# Altium PCB BreakOutBoard_Cyclone.PcbDoc (part 4 of 7)
Units mm, origin at the board's own origin, x right, y up, seen from the top; angles counter-clockwise.
Board outline 360 x 235.6 mm, 2 copper layers (Top Layer, Bottom Layer); 147 components, 203 nets, 2829 pads, 104 vias.
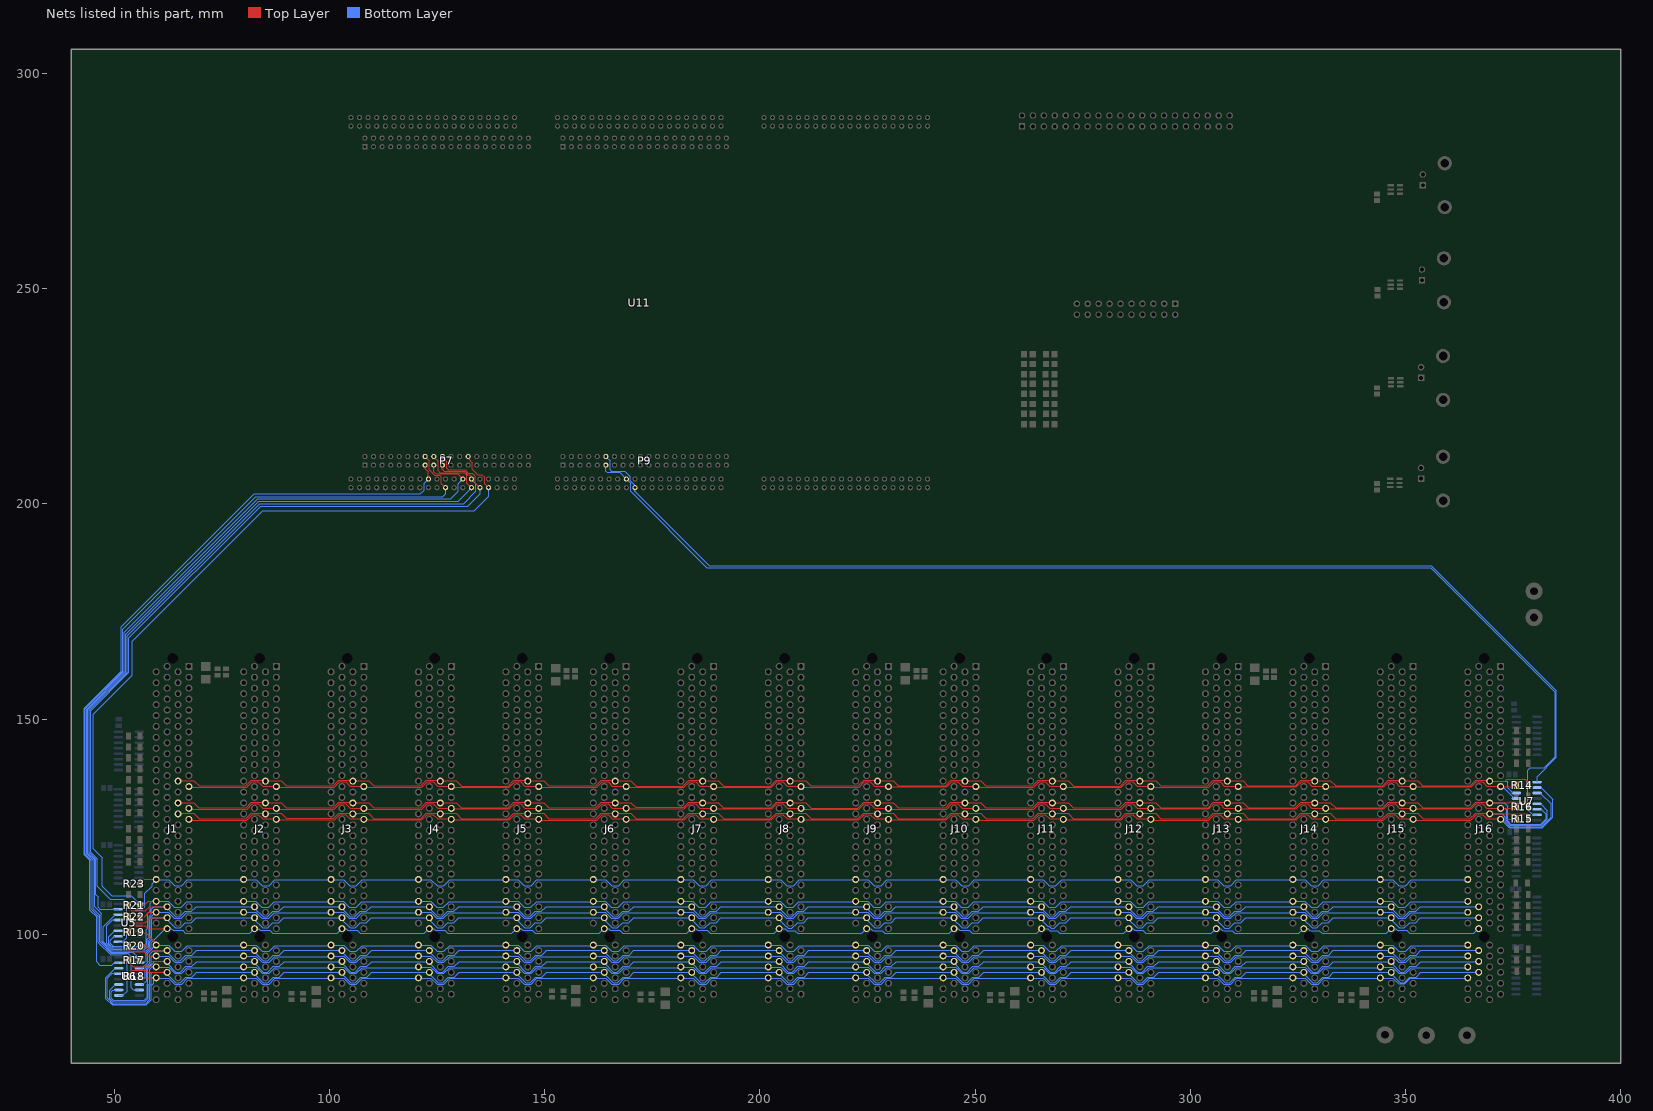
[diagram p4: the nets of this part, all layers, seen from the top]

## Via types
v1: diameter 0.6, hole 0.3, Top Layer to Bottom Layer, 53 vias
v2: diameter 1.27, hole 0.711, Top Layer to Bottom Layer, 36 vias
v3: diameter 5.5, hole 4.5, Top Layer to Bottom Layer, 15 vias

## Nets (pads, with @x,y where several pads share a name; then routed paths per layer and width w, separated by ;. In a path a pad name is that pad's centre, name@x,y a point inside that pad or via, vN(x,y) a via of type N, cw(c..) or ccw(c..) an arc to the next point about the centre after c; other vN are vias at no path point) (continued)
BUS13_N: J1.22 J2.22 J3.22 J4.22 J5.22 J6.22 J7.22 J8.22 J9.22 J10.22 J11.22 J12.22 J13.22 J14.22 J15.22 J16.22 R14.1 U7.14 | length 336.3
  Top Layer w0.15: J1.22@64.77,135.672 68.428,135.672 69.66,134.44 80.54,134.44 81.83,135.73 J2.22@85.032,135.73 ; J2.22@85.09,135.672 88.748,135.672 89.97,134.45 100.87,134.45 102.15,135.73 J3.22@105.352,135.73 ; J3.22@105.41,135.672 109.068,135.672 110.27,134.47 121.21,134.47 122.47,135.73 J4.22@125.672,135.73 ; J4.22@125.73,135.672 129.388,135.672 130.65,134.41 141.47,134.41 142.79,135.73 J5.22@145.992,135.73 ; J5.22@146.05,135.672 149.708,135.672 150.92,134.46 161.84,134.46 163.11,135.73 J6.22@166.312,135.73 ; J6.22@166.37,135.672 170.028,135.672 171.28,134.42 182.12,134.42 183.43,135.73 J7.22@186.632,135.73 ; J7.22@186.69,135.672 190.348,135.672 191.63,134.39 202.41,134.39 203.75,135.73 J8.22@206.952,135.73 ; J8.22@207.01,135.672 210.668,135.672 211.86,134.48 222.82,134.48 224.07,135.73 J9.22@227.272,135.73 ; J9.22@227.33,135.672 230.988,135.672 232.16,134.5 243.16,134.5 244.39,135.73 J10.22@247.592,135.73 ; J10.22@247.65,135.672 251.308,135.672 252.53,134.45 263.43,134.45 264.71,135.73 J11.22@267.912,135.73 ; J11.22@267.97,135.672 271.628,135.672 272.88,134.42 283.72,134.42 285.03,135.73 J12.22@288.232,135.73 ; J12.22@288.29,135.672 291.948,135.672 293.14,134.48 304.1,134.48 305.35,135.73 J13.22@308.552,135.73 ; J13.22@308.61,135.672 312.268,135.672 313.403,134.537 324.477,134.537 325.67,135.73 J14.22@328.872,135.73 ; J14.22@328.93,135.672 332.588,135.672 333.754,134.506 344.766,134.506 345.99,135.73 J15.22@349.192,135.73 ; J15.22@349.25,135.672 352.908,135.672 354.074,134.506 365.086,134.506 366.31,135.73 J16.22@369.512,135.73 ; J16.22@369.57,135.572 373.172,135.572 373.6,136 377.9,136 R14.1@378.6,135.3
  Bottom Layer w0.15: J16.22@369.57,135.572 373.827,135.572 373.827,134.073 U7.14@375,132.9
BUS13_P: J1.23 J2.23 J3.23 J4.23 J5.23 J6.23 J7.23 J8.23 J9.23 J10.23 J11.23 J12.23 J13.23 J14.23 J15.23 J16.23 R14.2 U7.13 | length 324.2
  Top Layer w0.15: J1.23@67.506,134.206 67.572,134.14 80.769,134.14 82.032,135.403 83.436,135.403 84.437,134.402 J2.23@87.63,134.402 ; J2.23@87.826,134.206 87.882,134.15 101.099,134.15 102.352,135.403 103.756,135.403 104.757,134.402 J3.23@107.95,134.402 ; J3.23@108.146,134.206 108.182,134.17 121.439,134.17 122.672,135.403 124.076,135.403 125.077,134.402 J4.23@128.27,134.402 ; J4.23@128.466,134.206 128.562,134.11 141.699,134.11 142.992,135.403 144.396,135.403 145.397,134.402 J5.23@148.59,134.402 ; J5.23@148.786,134.206 148.832,134.16 162.069,134.16 163.312,135.403 164.716,135.403 165.717,134.402 J6.23@168.91,134.402 ; J6.23@169.106,134.206 169.192,134.12 182.349,134.12 183.632,135.403 185.036,135.403 186.037,134.402 J7.23@189.23,134.402 ; J7.23@189.426,134.206 189.542,134.09 202.639,134.09 203.952,135.403 205.356,135.403 206.357,134.402 J8.23@209.55,134.402 ; J8.23@209.746,134.206 209.772,134.18 223.049,134.18 224.272,135.403 225.676,135.403 226.677,134.402 J9.23@229.87,134.402 ; J9.23@230.066,134.206 230.072,134.2 243.389,134.2 244.592,135.403 245.996,135.403 246.997,134.402 J10.23@250.19,134.402 ; J10.23@250.386,134.206 250.442,134.15 263.659,134.15 264.912,135.403 266.316,135.403 267.317,134.402 J11.23@270.51,134.402 ; J11.23@270.706,134.206 270.792,134.12 283.949,134.12 285.232,135.403 286.636,135.403 287.637,134.402 J12.23@290.83,134.402 ; J12.23@291.026,134.206 291.052,134.18 304.329,134.18 305.552,135.403 306.956,135.403 307.957,134.402 J13.23@311.15,134.402 ; J13.23@311.346,134.206 324.675,134.206 325.872,135.403 327.276,135.403 328.277,134.402 J14.23@331.47,134.402 ; J14.23@331.666,134.206 344.995,134.206 346.192,135.403 347.596,135.403 348.597,134.402 J15.23@351.79,134.402 ; J15.23@351.986,134.206 365.315,134.206 366.512,135.403 367.916,135.403 368.917,134.402 J16.23@372.11,134.402 ; J16.23@372.11,134.302 375.303,134.302 R14.2@375.7,134.7
  Bottom Layer w0.15: J16.23@372.11,134.302 372.647,134.302 375.1,131.85 U7.13@375.1,131.5
BUS14: P9.12 U7.1 U11.1B19 | length 269.1
  Bottom Layer w0.15: P9.12@164.2,211 165.2,210 165.2,207.9 165.5,207.6 168.6,207.6 169.9,206.3 169.9,205.4 170.95,204.35 U11.1B19@170.95,203.75 ; U11.1B19@170.93,203.73 170.93,202.87 188.2,185.6 356.05,185.6 385.09,156.56 385.09,141.06 380.6,136.57 U7.1@380.6,135.345
BUS14_N: J1.29 J2.29 J3.29 J4.29 J5.29 J6.29 J7.29 J8.29 J9.29 J10.29 J11.29 J12.29 J13.29 J14.29 J15.29 J16.29 R15.1 U7.2 | length 342.2
  Top Layer w0.15: J1.29@67.506,126.606 67.602,126.51 80.739,126.51 82.032,127.803 83.436,127.803 84.437,126.802 J2.29@87.63,126.802 ; J2.29@87.826,126.606 101.155,126.606 102.352,127.803 103.756,127.803 104.757,126.802 J3.29@107.95,126.802 ; J3.29@108.146,126.606 108.212,126.54 121.409,126.54 122.672,127.803 124.076,127.803 125.077,126.802 J4.29@128.27,126.802 ; J4.29@128.466,126.606 128.532,126.54 141.729,126.54 142.992,127.803 144.396,127.803 145.397,126.802 J5.29@148.59,126.802 ; J5.29@148.786,126.606 148.872,126.52 162.029,126.52 163.312,127.803 164.716,127.803 165.717,126.802 J6.29@168.91,126.802 ; J6.29@169.106,126.606 169.152,126.56 182.389,126.56 183.632,127.803 185.036,127.803 186.037,126.802 J7.29@189.23,126.802 ; J7.29@189.426,126.606 189.502,126.53 202.679,126.53 203.952,127.803 205.356,127.803 206.357,126.802 J8.29@209.55,126.802 ; J8.29@209.746,126.606 209.822,126.53 222.999,126.53 224.272,127.803 225.676,127.803 226.677,126.802 J9.29@229.87,126.802 ; J9.29@230.066,126.606 230.112,126.56 243.349,126.56 244.592,127.803 245.996,127.803 246.997,126.802 J10.29@250.19,126.802 ; J10.29@250.386,126.606 250.492,126.5 263.609,126.5 264.912,127.803 266.316,127.803 267.317,126.802 J11.29@270.51,126.802 ; J11.29@270.706,126.606 270.762,126.55 283.979,126.55 285.232,127.803 286.636,127.803 287.637,126.802 J12.29@290.83,126.802 ; J12.29@291.026,126.606 291.112,126.52 304.269,126.52 305.552,127.803 306.956,127.803 307.957,126.802 J13.29@311.15,126.802 ; J13.29@311.346,126.606 311.422,126.53 324.599,126.53 325.872,127.803 327.276,127.803 328.277,126.802 J14.29@331.47,126.802 ; J14.29@331.666,126.606 331.772,126.5 344.889,126.5 346.192,127.803 347.596,127.803 348.597,126.802 J15.29@351.79,126.802 ; J15.29@351.986,126.606 352.092,126.5 365.209,126.5 366.512,127.803 367.916,127.803 368.917,126.802 J16.29@372.11,126.802 ; J16.29@372.11,126.682 375.383,126.682 R15.1@375.7,127
  Bottom Layer w0.15: J16.29@372.11,126.682 374.1,124.692 381.77,124.692 384.2,127.122 384.2,131.4 U7.2@381.5,134.1
BUS14_P: J1.28 J2.28 J3.28 J4.28 J5.28 J6.28 J7.28 J8.28 J9.28 J10.28 J11.28 J12.28 J13.28 J14.28 J15.28 J16.28 R15.2 U7.3 | length 352.6
  Top Layer w0.15: J1.28@64.77,128.072 68.428,128.072 69.69,126.81 80.51,126.81 81.83,128.13 J2.28@85.032,128.13 ; J2.28@85.09,128.072 88.748,128.072 89.91,126.91 100.93,126.91 102.15,128.13 J3.28@105.352,128.13 ; J3.28@105.41,128.072 109.068,128.072 110.3,126.84 121.18,126.84 122.47,128.13 J4.28@125.672,128.13 ; J4.28@125.73,128.072 129.388,128.072 130.62,126.84 141.5,126.84 142.79,128.13 J5.28@145.992,128.13 ; J5.28@146.05,128.072 149.708,128.072 150.96,126.82 161.8,126.82 163.11,128.13 J6.28@166.312,128.13 ; J6.28@166.37,128.072 170.028,128.072 171.24,126.86 182.16,126.86 183.43,128.13 J7.28@186.632,128.13 ; J7.28@186.69,128.072 190.348,128.072 191.59,126.83 202.45,126.83 203.75,128.13 J8.28@206.952,128.13 ; J8.28@207.01,128.072 210.668,128.072 211.91,126.83 222.77,126.83 224.07,128.13 J9.28@227.272,128.13 ; J9.28@227.33,128.072 230.988,128.072 232.2,126.86 243.12,126.86 244.39,128.13 J10.28@247.592,128.13 ; J10.28@247.65,128.072 251.308,128.072 252.58,126.8 263.38,126.8 264.71,128.13 J11.28@267.912,128.13 ; J11.28@267.97,128.072 271.628,128.072 272.85,126.85 283.75,126.85 285.03,128.13 J12.28@288.232,128.13 ; J12.28@288.29,128.072 291.948,128.072 293.2,126.82 304.04,126.82 305.35,128.13 J13.28@308.552,128.13 ; J13.28@308.61,128.072 312.268,128.072 313.51,126.83 324.37,126.83 325.67,128.13 J14.28@328.872,128.13 ; J14.28@328.93,128.072 332.588,128.072 333.86,126.8 344.66,126.8 345.99,128.13 J15.28@349.192,128.13 ; J15.28@349.25,128.072 352.908,128.072 354.18,126.8 364.98,126.8 366.31,128.13 J16.28@369.512,128.13 ; J16.28@369.57,127.953 378.247,127.953 R15.2@378.6,127.6
  Bottom Layer w0.15: J16.28@369.57,127.953 372.447,127.953 373.192,127.208 373.192,126.066 374.266,124.992 381.645,124.992 383.85,127.197 383.85,130.25 U7.3@381.3,132.8
BUS15: P9.11 U7.7 U11.1B18 | length 279
  Bottom Layer w0.15: P9.11@164.2,209 164.2,207.6 164.5,207.3 167.4,207.3 U11.1B18@168.95,205.75 ; U11.1B18@168.94,205.75 169.93,204.76 169.93,202.87 187.636,185.164 355.886,185.164 384.79,156.26 384.79,141.214 382.226,138.65 378.98,138.65 378.38,138.05 378.38,128.92 379.575,127.725 U7.7@380.6,127.725
BUS15_N: J1.26 J2.26 J3.26 J4.26 J5.26 J6.26 J7.26 J8.26 J9.26 J10.26 J11.26 J12.26 J13.26 J14.26 J15.26 J16.26 R16.1 U7.6 | length 348.8
  Top Layer w0.15: J1.26@64.77,130.572 68.428,130.572 69.62,129.38 80.58,129.38 81.83,130.63 J2.26@85.032,130.63 ; J2.26@85.09,130.572 88.748,130.572 89.97,129.35 100.87,129.35 102.15,130.63 J3.26@105.352,130.63 ; J3.26@105.41,130.572 109.068,130.572 110.29,129.35 121.19,129.35 122.47,130.63 J4.26@125.672,130.63 ; J4.26@125.73,130.572 129.388,130.572 130.55,129.41 141.57,129.41 142.79,130.63 J5.26@145.992,130.63 ; J5.26@146.05,130.572 149.708,130.572 150.92,129.36 161.84,129.36 163.11,130.63 J6.26@166.312,130.63 ; J6.26@166.37,130.572 170.028,130.572 171.143,129.457 182.257,129.457 183.43,130.63 J7.26@186.632,130.63 ; J7.26@186.69,130.572 190.348,130.572 191.514,129.406 202.526,129.406 203.75,130.63 J8.26@206.952,130.63 ; J8.26@207.01,130.572 210.668,130.572 211.93,129.31 222.75,129.31 224.07,130.63 J9.26@227.272,130.63 ; J9.26@227.33,130.572 230.988,130.572 232.18,129.38 243.14,129.38 244.39,130.63 J10.26@247.592,130.63 ; J10.26@247.65,130.572 251.308,130.572 252.53,129.35 263.43,129.35 264.71,130.63 J11.26@267.912,130.63 ; J11.26@267.97,130.572 271.628,130.572 272.85,129.35 283.75,129.35 285.03,130.63 J12.26@288.232,130.63 ; J12.26@288.29,130.572 291.948,130.572 293.1,129.42 304.14,129.42 305.35,130.63 J13.26@308.552,130.63 ; J13.26@308.61,130.572 312.268,130.572 313.44,129.4 324.44,129.4 325.67,130.63 J14.26@328.872,130.63 ; J14.26@328.93,130.572 332.588,130.572 333.76,129.4 344.76,129.4 345.99,130.63 J15.26@349.192,130.63 ; J15.26@349.25,130.572 352.908,130.572 354.074,129.406 365.086,129.406 366.31,130.63 J16.26@369.512,130.63 ; J16.26@369.57,130.493 373.993,130.493 374.3,130.8 378.1,130.8 R16.1@378.6,130.3
  Bottom Layer w0.15: J16.26@369.57,130.493 373.007,130.493 373.792,129.708 373.792,126.315 374.515,125.592 381.397,125.592 382.677,126.872 382.677,127.923 U7.6@381.5,129.1
BUS15_P: J1.27 J2.27 J3.27 J4.27 J5.27 J6.27 J7.27 J8.27 J9.27 J10.27 J11.27 J12.27 J13.27 J14.27 J15.27 J16.27 R16.2 U7.5 | length 338.4
  Top Layer w0.15: J1.27@67.506,129.106 67.532,129.08 80.809,129.08 82.032,130.303 83.436,130.303 84.437,129.302 J2.27@87.63,129.302 ; J2.27@87.826,129.106 87.882,129.05 101.099,129.05 102.352,130.303 103.756,130.303 104.757,129.302 J3.27@107.95,129.302 ; J3.27@108.146,129.106 108.202,129.05 121.419,129.05 122.672,130.303 124.076,130.303 125.077,129.302 J4.27@128.27,129.302 ; J4.27@128.466,129.106 141.795,129.106 142.992,130.303 144.396,130.303 145.397,129.302 J5.27@148.59,129.302 ; J5.27@148.786,129.106 148.832,129.06 162.069,129.06 163.312,130.303 164.716,130.303 165.717,129.302 J6.27@168.91,129.302 ; J6.27@169.106,129.106 182.435,129.106 183.632,130.303 185.036,130.303 186.037,129.302 J7.27@189.23,129.302 ; J7.27@189.426,129.106 202.755,129.106 203.952,130.303 205.356,130.303 206.357,129.302 J8.27@209.55,129.302 ; J8.27@209.746,129.106 209.842,129.01 222.979,129.01 224.272,130.303 225.676,130.303 226.677,129.302 J9.27@229.87,129.302 ; J9.27@230.066,129.106 230.092,129.08 243.369,129.08 244.592,130.303 245.996,130.303 246.997,129.302 J10.27@250.19,129.302 ; J10.27@250.386,129.106 250.442,129.05 263.659,129.05 264.912,130.303 266.316,130.303 267.317,129.302 J11.27@270.51,129.302 ; J11.27@270.706,129.106 270.762,129.05 283.979,129.05 285.232,130.303 286.636,130.303 287.637,129.302 J12.27@290.83,129.302 ; J12.27@291.026,129.106 304.355,129.106 305.552,130.303 306.956,130.303 307.957,129.302 J13.27@311.15,129.302 ; J13.27@311.346,129.106 311.352,129.1 324.669,129.1 325.872,130.303 327.276,130.303 328.277,129.302 J14.27@331.47,129.302 ; J14.27@331.666,129.106 331.672,129.1 344.989,129.1 346.192,130.303 347.596,130.303 348.597,129.302 J15.27@351.79,129.302 ; J15.27@351.986,129.106 365.315,129.106 366.512,130.303 367.916,130.303 368.917,129.302 J16.27@372.11,129.302 ; J16.27@372.11,129.222 375.423,129.222 R16.2@375.7,129.5
  Bottom Layer w0.15: J16.27@372.11,129.222 373.069,129.222 373.492,128.8 373.492,126.191 374.391,125.292 381.521,125.292 382.977,126.748 382.977,128.723 U7.5@381.4,130.3
BUS16: P7.16 U6.9 U11.1A23 | length 195.6
  Top Layer w0.15: P7.16@122.2,211 123.2,210 123.2,207.9 124.46,206.64 125.56,206.64 126,206.2 126,204.7 U11.1A23@127,203.7
  Bottom Layer w0.15: U6.9@51,85.755 51.965,85.755 53,86.79 53,94.8 52.59,95.21 49.1,95.21 46.25,98.06 46.25,104.2 44.65,105.8 44.65,117.173 43.25,118.573 43.25,152.427 51.95,161.127 51.95,170.8 82.8,201.65 126.3,201.65 126.95,202.3 U11.1A23@126.95,203.75
BUS16_N: J1.113 J2.113 J3.113 J4.113 J5.113 J6.113 J7.113 J8.113 J9.113 J10.113 J11.113 J12.113 J13.113 J14.113 J15.113 J16.113 R17.1 U6.10 | length 367.9
  Top Layer w0.15: R17.1@56,94.1 56.437,93.662 J1.113@62.23,93.662
  Bottom Layer w0.15: U6.10@50.3,86.8 50.1,87 49.6,87 49.2,86.6 49.2,85.15 49.75,84.6 56.9,84.6 57.6,85.3 57.6,88.323 57.75,88.473 57.75,91.976 58.8,93.026 58.8,93.05 59.412,93.662 J1.113@62.23,93.662 ; J1.113@62.2,93.6 62.2,93.3 64.3,91.2 65.3,91.2 66.6,92.5 68,92.5 69.123,93.623 J2.113@82.55,93.623 ; J2.113@82.52,93.6 82.52,93.3 84.62,91.2 85.62,91.2 86.92,92.5 88.32,92.5 89.443,93.623 J3.113@102.87,93.623 ; J3.113@102.84,93.6 102.84,93.3 104.94,91.2 105.94,91.2 107.24,92.5 108.64,92.5 109.763,93.623 J4.113@123.19,93.623 ; J4.113@123.16,93.6 123.16,93.3 125.26,91.2 126.26,91.2 127.56,92.5 128.96,92.5 130.083,93.623 J5.113@143.51,93.623 ; J5.113@143.48,93.6 143.48,93.3 145.58,91.2 146.58,91.2 147.88,92.5 149.28,92.5 150.403,93.623 J6.113@163.83,93.623 ; J6.113@163.8,93.6 163.8,93.3 165.9,91.2 166.9,91.2 168.2,92.5 169.6,92.5 170.723,93.623 J7.113@184.15,93.623 ; J7.113@184.12,93.6 184.12,93.3 186.22,91.2 187.22,91.2 188.52,92.5 189.92,92.5 191.043,93.623 J8.113@204.47,93.623 ; J8.113@204.44,93.6 204.44,93.3 206.54,91.2 207.54,91.2 208.84,92.5 210.24,92.5 211.363,93.623 J9.113@224.79,93.623 ; J9.113@224.76,93.6 224.76,93.3 226.86,91.2 227.86,91.2 229.16,92.5 230.56,92.5 231.683,93.623 J10.113@245.11,93.623 ; J10.113@245.08,93.6 245.08,93.3 247.18,91.2 248.18,91.2 249.48,92.5 250.88,92.5 252.003,93.623 J11.113@265.43,93.623 ; J11.113@265.4,93.6 265.4,93.3 267.5,91.2 268.5,91.2 269.8,92.5 271.2,92.5 272.323,93.623 J12.113@285.75,93.623 ; J12.113@285.72,93.6 285.72,93.3 287.82,91.2 288.82,91.2 290.12,92.5 291.52,92.5 292.643,93.623 J13.113@306.07,93.623 ; J13.113@306.04,93.6 306.04,93.3 308.14,91.2 309.14,91.2 310.44,92.5 311.84,92.5 312.963,93.623 J14.113@326.39,93.623 ; J14.113@326.36,93.6 326.36,93.3 328.46,91.2 329.46,91.2 330.76,92.5 332.16,92.5 333.283,93.623 J15.113@346.71,93.623 ; J15.113@346.68,93.6 346.68,93.3 348.78,91.2 349.78,91.2 351.08,92.5 352.48,92.5 353.603,93.623 J16.113@367.03,93.623
BUS16_P: J1.114 J2.114 J3.114 J4.114 J5.114 J6.114 J7.114 J8.114 J9.114 J10.114 J11.114 J12.114 J13.114 J14.114 J15.114 J16.114 R17.2 U6.11 | length 351.4
  Top Layer w0.15: R17.2@53.2,93.6 54.408,92.392 J1.114@59.69,92.392
  Bottom Layer w0.15: U6.11@50.2,88.3 48.9,87 48.9,85.026 49.626,84.3 49.65,84.3 49.7,84.25 57.05,84.25 57.9,85.1 57.9,88.199 58.2,88.499 58.2,91.8 58.792,92.392 J1.114@59.69,92.392 ; J1.114@59.7,92.3 62.6,92.3 64,90.9 65.6,90.9 66.9,92.2 79.858,92.2 J2.114@80.01,92.353 ; J2.114@80.02,92.3 82.92,92.3 84.32,90.9 85.92,90.9 87.22,92.2 100.178,92.2 J3.114@100.33,92.353 ; J3.114@100.34,92.3 103.24,92.3 104.64,90.9 106.24,90.9 107.54,92.2 120.498,92.2 J4.114@120.65,92.353 ; J4.114@120.66,92.3 123.56,92.3 124.96,90.9 126.56,90.9 127.86,92.2 140.818,92.2 J5.114@140.97,92.353 ; J5.114@140.98,92.3 143.88,92.3 145.28,90.9 146.88,90.9 148.18,92.2 161.138,92.2 J6.114@161.29,92.353 ; J6.114@161.3,92.3 164.2,92.3 165.6,90.9 167.2,90.9 168.5,92.2 181.458,92.2 J7.114@181.61,92.353 ; J7.114@181.62,92.3 184.52,92.3 185.92,90.9 187.52,90.9 188.82,92.2 201.778,92.2 J8.114@201.93,92.353 ; J8.114@201.94,92.3 204.84,92.3 206.24,90.9 207.84,90.9 209.14,92.2 222.098,92.2 J9.114@222.25,92.353 ; J9.114@222.26,92.3 225.16,92.3 226.56,90.9 228.16,90.9 229.46,92.2 242.418,92.2 J10.114@242.57,92.353 ; J10.114@242.58,92.3 245.48,92.3 246.88,90.9 248.48,90.9 249.78,92.2 262.738,92.2 J11.114@262.89,92.353 ; J11.114@262.9,92.3 265.8,92.3 267.2,90.9 268.8,90.9 270.1,92.2 283.058,92.2 J12.114@283.21,92.353 ; J12.114@283.22,92.3 286.12,92.3 287.52,90.9 289.12,90.9 290.42,92.2 303.378,92.2 J13.114@303.53,92.353 ; J13.114@303.54,92.3 306.44,92.3 307.84,90.9 309.44,90.9 310.74,92.2 323.698,92.2 J14.114@323.85,92.353 ; J14.114@323.86,92.3 326.76,92.3 328.16,90.9 329.76,90.9 331.06,92.2 344.018,92.2 J15.114@344.17,92.353 ; J15.114@344.18,92.3 347.08,92.3 348.48,90.9 350.08,90.9 351.38,92.2 364.338,92.2 J16.114@364.49,92.353
BUS17: P7.15 U6.15 U11.1A20 | length 178.5
  Top Layer w0.15: P7.15@122.2,209 122.2,208.1 122.9,207.4 U11.1A20@122.9,205.7
  Bottom Layer w0.15: U6.15@51,93.375 49.975,93.375 49.4,92.8 46.6,92.8 45.85,93.55 45.85,104 44.25,105.6 44.25,117.149 42.95,118.449 42.95,152.551 51.55,161.151 51.55,171.4 82.45,202.3 121.1,202.3 121.95,203.15 121.95,204.76 U11.1A20@122.94,205.75
BUS17_N: J1.116 J2.116 J3.116 J4.116 J5.116 J6.116 J7.116 J8.116 J9.116 J10.116 J11.116 J12.116 J13.116 J14.116 J15.116 J16.116 R18.1 U6.14 | length 351.3
  Top Layer w0.15: R18.1@56.1,90.2 56.447,89.852 J1.116@59.69,89.852
  Bottom Layer w0.15: U6.14@50.2,92.1 48,89.9 48,85 49.45,83.55 57.35,83.55 58.523,84.723 58.523,87.973 59.1,88.55 59.1,89.263 J1.116@59.69,89.852 ; J1.116@59.7,89.8 62.6,89.8 64,88.4 65.6,88.4 66.9,89.7 79.858,89.7 J2.116@80.01,89.852 ; J2.116@80.02,89.8 82.92,89.8 84.32,88.4 85.92,88.4 87.22,89.7 100.178,89.7 J3.116@100.33,89.852 ; J3.116@100.34,89.8 103.24,89.8 104.64,88.4 106.24,88.4 107.54,89.7 120.498,89.7 J4.116@120.65,89.852 ; J4.116@120.66,89.8 123.56,89.8 124.96,88.4 126.56,88.4 127.86,89.7 140.818,89.7 J5.116@140.97,89.852 ; J5.116@140.98,89.8 143.88,89.8 145.28,88.4 146.88,88.4 148.18,89.7 161.138,89.7 J6.116@161.29,89.852 ; J6.116@161.3,89.8 164.2,89.8 165.6,88.4 167.2,88.4 168.5,89.7 181.458,89.7 J7.116@181.61,89.852 ; J7.116@181.62,89.8 184.52,89.8 185.92,88.4 187.52,88.4 188.82,89.7 201.778,89.7 J8.116@201.93,89.852 ; J8.116@201.94,89.8 204.84,89.8 206.24,88.4 207.84,88.4 209.14,89.7 222.098,89.7 J9.116@222.25,89.852 ; J9.116@222.26,89.8 225.16,89.8 226.56,88.4 228.16,88.4 229.46,89.7 242.418,89.7 J10.116@242.57,89.852 ; J10.116@242.58,89.8 245.48,89.8 246.88,88.4 248.48,88.4 249.78,89.7 262.738,89.7 J11.116@262.89,89.852 ; J11.116@262.9,89.8 265.8,89.8 267.2,88.4 268.8,88.4 270.1,89.7 283.058,89.7 J12.116@283.21,89.852 ; J12.116@283.22,89.8 286.12,89.8 287.52,88.4 289.12,88.4 290.42,89.7 303.378,89.7 J13.116@303.53,89.852 ; J13.116@303.54,89.8 306.44,89.8 307.84,88.4 309.44,88.4 310.74,89.7 323.698,89.7 J14.116@323.85,89.852 ; J14.116@323.86,89.8 326.76,89.8 328.16,88.4 329.76,88.4 331.06,89.7 344.018,89.7 J15.116@344.17,89.852 ; J15.116@344.18,89.8 347.1,89.8 348.47,88.43 349.864,88.43 351.134,89.7 364.338,89.7 J16.116@364.49,89.852
BUS17_P: J1.115 J2.115 J3.115 J4.115 J5.115 J6.115 J7.115 J8.115 J9.115 J10.115 J11.115 J12.115 J13.115 J14.115 J15.115 J16.115 R18.2 U6.13 | length 375.1
  Top Layer w0.15: R18.2@53.2,90.7 54.1,91.6 57.4,91.6 57.877,91.123 J1.115@62.23,91.123
  Bottom Layer w0.15: U6.13@50.1,90.9 49.5,90.9 48.3,89.7 48.3,85.2 49.65,83.85 57.226,83.85 58.223,84.847 58.223,88.097 58.55,88.424 58.55,90.908 58.764,91.123 J1.115@62.23,91.123 ; J1.115@62.2,91.1 62.2,90.8 64.3,88.7 65.3,88.7 66.6,90 68,90 69.123,91.123 J2.115@82.55,91.123 ; J2.115@82.52,91.1 82.52,90.8 84.62,88.7 85.62,88.7 86.92,90 88.32,90 89.443,91.123 J3.115@102.87,91.123 ; J3.115@102.84,91.1 102.84,90.8 104.94,88.7 105.94,88.7 107.24,90 108.64,90 109.763,91.123 J4.115@123.19,91.123 ; J4.115@123.16,91.1 123.16,90.8 125.26,88.7 126.26,88.7 127.56,90 128.96,90 130.083,91.123 J5.115@143.51,91.123 ; J5.115@143.48,91.1 143.48,90.8 145.58,88.7 146.58,88.7 147.88,90 149.28,90 150.403,91.123 J6.115@163.83,91.123 ; J6.115@163.8,91.1 163.8,90.8 165.9,88.7 166.9,88.7 168.2,90 169.6,90 170.723,91.123 J7.115@184.15,91.123 ; J7.115@184.12,91.1 184.12,90.8 186.22,88.7 187.22,88.7 188.52,90 189.92,90 191.043,91.123 J8.115@204.47,91.123 ; J8.115@204.44,91.1 204.44,90.8 206.54,88.7 207.54,88.7 208.84,90 210.24,90 211.363,91.123 J9.115@224.79,91.123 ; J9.115@224.76,91.1 224.76,90.8 226.86,88.7 227.86,88.7 229.16,90 230.56,90 231.683,91.123 J10.115@245.11,91.123 ; J10.115@245.08,91.1 245.08,90.8 247.18,88.7 248.18,88.7 249.48,90 250.88,90 252.003,91.123 J11.115@265.43,91.123 ; J11.115@265.4,91.1 265.4,90.8 267.5,88.7 268.5,88.7 269.8,90 271.2,90 272.323,91.123 J12.115@285.75,91.123 ; J12.115@285.72,91.1 285.72,90.8 287.82,88.7 288.82,88.7 290.12,90 291.52,90 292.643,91.123 J13.115@306.07,91.123 ; J13.115@306.04,91.1 306.04,90.8 308.14,88.7 309.14,88.7 310.44,90 311.84,90 312.963,91.123 J14.115@326.39,91.123 ; J14.115@326.36,91.1 326.36,90.8 328.46,88.7 329.46,88.7 330.76,90 332.16,90 333.283,91.123 J15.115@346.71,91.123 ; J15.115@346.68,91.1 346.68,90.8 348.75,88.73 349.74,88.73 351.01,90 352.48,90 353.603,91.123 J16.115@367.03,91.123
BUS18: P7.18 U6.1 U11.1A29 | length 195.4
  Top Layer w0.15: P7.18@124.1,211 125.2,209.9 125.2,207.7 125.65,207.25 131.25,207.25 131.9,206.6 131.9,204.8 U11.1A29@132.95,203.75
  Bottom Layer w0.15: U6.1@55.8,94.645 55.493,94.645 54.288,95.85 49.369,95.85 46.9,98.319 46.9,104.85 45.4,106.35 45.4,117.271 43.85,118.821 43.85,152.179 52.65,160.979 52.65,169.75 83.52,200.62 129.9,200.62 U11.1A29@132.98,203.7
BUS18_N: J1.109 J2.109 J3.109 J4.109 J5.109 J6.109 J7.109 J8.109 J9.109 J10.109 J11.109 J12.109 J13.109 J14.109 J15.109 J16.109 R19.1 U6.2 | length 338
  Top Layer w0.15: R19.1@53.3,101 53.3,101.3 54,102 57.1,102 57.817,101.282 J1.109@62.23,101.282
  Bottom Layer w0.15: U6.2@56.8,93.2 57.4,93.8 57.4,95.65 58.56,96.81 58.56,98.01 61.833,101.282 J1.109@62.23,101.282 63.217,101.282 63.63,100.87 65.83,100.87 66.5,100.2 81.4,100.2 J2.109@82.5,101.3 ; J2.109@82.55,101.282 83.537,101.282 83.92,100.9 86.12,100.9 86.82,100.2 101.72,100.2 J3.109@102.82,101.3 ; J3.109@102.87,101.282 103.857,101.282 104.24,100.9 106.44,100.9 107.14,100.2 122.04,100.2 J4.109@123.14,101.3 ; J4.109@123.19,101.282 124.177,101.282 124.56,100.9 126.76,100.9 127.46,100.2 142.36,100.2 J5.109@143.46,101.3 ; J5.109@143.51,101.282 144.497,101.282 144.88,100.9 147.08,100.9 147.78,100.2 162.68,100.2 J6.109@163.78,101.3 ; J6.109@163.83,101.282 164.817,101.282 165.21,100.89 167.41,100.89 168.1,100.2 183,100.2 J7.109@184.1,101.3 ; J7.109@184.15,101.282 185.137,101.282 185.54,100.88 187.74,100.88 188.42,100.2 203.32,100.2 J8.109@204.42,101.3 ; J8.109@204.47,101.282 205.879,101.282 206.361,100.8 208.14,100.8 208.74,100.2 223.64,100.2 J9.109@224.74,101.3 ; J9.109@224.79,101.282 225.777,101.282 226.22,100.84 228.42,100.84 229.06,100.2 243.96,100.2 J10.109@245.06,101.3 ; J10.109@245.11,101.282 246.097,101.282 246.49,100.89 248.69,100.89 249.38,100.2 264.28,100.2 J11.109@265.38,101.3 ; J11.109@265.43,101.282 266.928,101.282 267.41,100.8 269.1,100.8 269.7,100.2 284.6,100.2 J12.109@285.7,101.3 ; J12.109@285.75,101.282 286.737,101.282 287.15,100.87 288.93,100.87 289.6,100.2 304.92,100.2 J13.109@306.02,101.3 ; J13.109@306.07,101.282 307.057,101.282 307.28,101.06 307.29,101.06 307.528,100.823 309.718,100.823 310.34,100.2 325.24,100.2 J14.109@326.34,101.3 ; J14.109@326.39,101.282 327.377,101.282 327.81,100.85 330.01,100.85 330.66,100.2 345.56,100.2 J15.109@346.66,101.3 ; J15.109@346.71,101.282 347.697,101.282 348.1,100.88 350.3,100.88 350.98,100.2 365.88,100.2 J16.109@366.98,101.3
BUS18_P: J1.110 J2.110 J3.110 J4.110 J5.110 J6.110 J7.110 J8.110 J9.110 J10.110 J11.110 J12.110 J13.110 J14.110 J15.110 J16.110 R19.2 U6.3 | length 334.3
  Top Layer w0.15: R19.2@56,100.2 57.4,100.2 59.69,97.91 J1.110@59.69,97.472
  Bottom Layer w0.15: U6.3@56.5,92 56.5,92.15 57.7,93.35 57.7,95.508 58.943,96.752 58.943,96.793 59.622,97.472 J1.110@59.69,97.472 ; J1.110@59.7,97.4 62.6,97.4 64,96 65.6,96 66.9,97.3 79.858,97.3 J2.110@80.01,97.453 ; J2.110@80.02,97.4 82.92,97.4 84.32,96 85.92,96 87.22,97.3 100.178,97.3 J3.110@100.33,97.453 ; J3.110@100.34,97.4 103.24,97.4 104.64,96 106.24,96 107.54,97.3 120.498,97.3 J4.110@120.65,97.453 ; J4.110@120.66,97.4 123.56,97.4 124.96,96 126.56,96 127.86,97.3 140.818,97.3 J5.110@140.97,97.453 ; J5.110@140.98,97.4 143.88,97.4 145.28,96 146.88,96 148.18,97.3 161.138,97.3 J6.110@161.29,97.453 ; J6.110@161.3,97.4 164.2,97.4 165.6,96 167.2,96 168.5,97.3 181.458,97.3 J7.110@181.61,97.453 ; J7.110@181.62,97.4 184.52,97.4 185.92,96 187.52,96 188.82,97.3 201.778,97.3 J8.110@201.93,97.453 ; J8.110@201.94,97.4 204.84,97.4 206.24,96 207.84,96 209.14,97.3 222.098,97.3 J9.110@222.25,97.453 ; J9.110@222.26,97.4 225.16,97.4 226.56,96 228.16,96 229.46,97.3 242.418,97.3 J10.110@242.57,97.453 ; J10.110@242.58,97.4 245.48,97.4 246.88,96 248.48,96 249.78,97.3 262.738,97.3 J11.110@262.89,97.453 ; J11.110@262.9,97.4 265.8,97.4 267.2,96 268.8,96 270.1,97.3 283.058,97.3 J12.110@283.21,97.453 ; J12.110@283.22,97.4 286.12,97.4 287.52,96 289.12,96 290.42,97.3 303.378,97.3 J13.110@303.53,97.453 ; J13.110@303.54,97.4 306.44,97.4 307.84,96 309.44,96 310.74,97.3 323.698,97.3 J14.110@323.85,97.453 ; J14.110@323.86,97.4 326.76,97.4 328.16,96 329.76,96 331.06,97.3 344.018,97.3 J15.110@344.17,97.453 ; J15.110@344.18,97.4 347.08,97.4 348.48,96 350.08,96 351.38,97.3 364.338,97.3 J16.110@364.49,97.453
BUS19: P7.17 U6.7 U11.1A28 | length 198.4
  Top Layer w0.15: P7.17@124.2,209 124.2,207.5 124.75,206.95 129.75,206.95 U11.1A28@130.95,205.75
  Bottom Layer w0.15: U6.7@55.8,87.025 54.375,87.025 53.9,87.5 53.9,94.76 53.12,95.54 49.25,95.54 46.55,98.24 46.55,104.45 45.1,105.9 45.1,117.147 43.55,118.697 43.55,152.303 52.3,161.053 52.3,170.2 83.29,201.19 128.17,201.19 129.95,202.97 129.95,204.7 U11.1A28@130.99,205.74
BUS19_N: J1.112 J2.112 J3.112 J4.112 J5.112 J6.112 J7.112 J8.112 J9.112 J10.112 J11.112 J12.112 J13.112 J14.112 J15.112 J16.112 R20.1 U6.6 | length 338.5
  Top Layer w0.15: R20.1@53.2,96.9 53.2,96.5 53.8,95.9 56.8,95.9 57.767,94.932 J1.112@59.69,94.932
  Bottom Layer w0.15: U6.6@56.5,88.2 57.45,89.15 57.45,92.124 57.626,92.3 57.65,92.3 58.5,93.15 58.5,94.692 58.741,94.932 J1.112@59.69,94.932 ; J1.112@59.7,94.9 62.6,94.9 64,93.5 65.6,93.5 66.9,94.8 79.858,94.8 J2.112@80.01,94.952 ; J2.112@80.02,94.9 82.92,94.9 84.32,93.5 85.92,93.5 87.22,94.8 100.178,94.8 J3.112@100.33,94.952 ; J3.112@100.34,94.9 103.24,94.9 104.64,93.5 106.24,93.5 107.54,94.8 120.498,94.8 J4.112@120.65,94.952 ; J4.112@120.66,94.9 123.56,94.9 124.96,93.5 126.56,93.5 127.86,94.8 140.818,94.8 J5.112@140.97,94.952 ; J5.112@140.98,94.9 143.88,94.9 145.28,93.5 146.88,93.5 148.18,94.8 161.138,94.8 J6.112@161.29,94.952 ; J6.112@161.3,94.9 164.2,94.9 165.6,93.5 167.2,93.5 168.5,94.8 181.458,94.8 J7.112@181.61,94.952 ; J7.112@181.62,94.9 184.52,94.9 185.92,93.5 187.52,93.5 188.82,94.8 201.778,94.8 J8.112@201.93,94.952 ; J8.112@201.94,94.9 204.84,94.9 206.24,93.5 207.84,93.5 209.14,94.8 222.098,94.8 J9.112@222.25,94.952 ; J9.112@222.26,94.9 225.16,94.9 226.56,93.5 228.16,93.5 229.46,94.8 242.418,94.8 J10.112@242.57,94.952 ; J10.112@242.58,94.9 245.48,94.9 246.88,93.5 248.48,93.5 249.78,94.8 262.738,94.8 J11.112@262.89,94.952 ; J11.112@262.9,94.9 265.8,94.9 267.2,93.5 268.8,93.5 270.1,94.8 283.058,94.8 J12.112@283.21,94.952 ; J12.112@283.22,94.9 286.12,94.9 287.52,93.5 289.12,93.5 290.42,94.8 303.378,94.8 J13.112@303.53,94.952 ; J13.112@303.54,94.9 306.44,94.9 307.84,93.5 309.44,93.5 310.74,94.8 323.698,94.8 J14.112@323.85,94.952 ; J14.112@323.86,94.9 326.76,94.9 328.16,93.5 329.76,93.5 331.06,94.8 344.018,94.8 J15.112@344.17,94.952 ; J15.112@344.18,94.9 347.08,94.9 348.48,93.5 350.08,93.5 351.38,94.8 364.338,94.8 J16.112@364.49,94.952
BUS19_P: J1.111 J2.111 J3.111 J4.111 J5.111 J6.111 J7.111 J8.111 J9.111 J10.111 J11.111 J12.111 J13.111 J14.111 J15.111 J16.111 R20.2 U6.5 | length 355.5
  Top Layer w0.15: R20.2@56,97.6 57.2,97.6 58.598,96.203 J1.111@62.23,96.203
  Bottom Layer w0.15: U6.5@56.7,89.5 57.15,89.95 57.15,92.25 57.326,92.426 57.326,92.444 58.154,93.272 58.154,95.354 59.003,96.203 J1.111@62.23,96.203 ; J1.111@62.2,96.2 62.2,95.9 64.3,93.8 65.3,93.8 66.6,95.1 68,95.1 69.123,96.222 J2.111@82.55,96.222 ; J2.111@82.52,96.2 82.52,95.9 84.62,93.8 85.62,93.8 86.92,95.1 88.32,95.1 89.443,96.222 J3.111@102.87,96.222 ; J3.111@102.84,96.2 102.84,95.9 104.94,93.8 105.94,93.8 107.24,95.1 108.64,95.1 109.763,96.222 J4.111@123.19,96.222 ; J4.111@123.16,96.2 123.16,95.9 125.26,93.8 126.26,93.8 127.56,95.1 128.96,95.1 130.083,96.222 J5.111@143.51,96.222 ; J5.111@143.48,96.2 143.48,95.9 145.58,93.8 146.58,93.8 147.88,95.1 149.28,95.1 150.403,96.222 J6.111@163.83,96.222 ; J6.111@163.8,96.2 163.8,95.9 165.9,93.8 166.9,93.8 168.2,95.1 169.6,95.1 170.723,96.222 J7.111@184.15,96.222 ; J7.111@184.12,96.2 184.12,95.9 186.22,93.8 187.22,93.8 188.52,95.1 189.92,95.1 191.043,96.222 J8.111@204.47,96.222 ; J8.111@204.44,96.2 204.44,95.9 206.54,93.8 207.54,93.8 208.84,95.1 210.24,95.1 211.363,96.222 J9.111@224.79,96.222 ; J9.111@224.76,96.2 224.76,95.9 226.86,93.8 227.86,93.8 229.16,95.1 230.56,95.1 231.683,96.222 J10.111@245.11,96.222 ; J10.111@245.08,96.2 245.08,95.9 247.18,93.8 248.18,93.8 249.48,95.1 250.88,95.1 252.003,96.222 J11.111@265.43,96.222 ; J11.111@265.4,96.2 265.4,95.9 267.5,93.8 268.5,93.8 269.8,95.1 271.2,95.1 272.323,96.222 J12.111@285.75,96.222 ; J12.111@285.72,96.2 285.72,95.9 287.82,93.8 288.82,93.8 290.12,95.1 291.52,95.1 292.643,96.222 J13.111@306.07,96.222 ; J13.111@306.04,96.2 306.04,95.9 308.14,93.8 309.14,93.8 310.44,95.1 311.84,95.1 312.963,96.222 J14.111@326.39,96.222 ; J14.111@326.36,96.2 326.36,95.9 328.46,93.8 329.46,93.8 330.76,95.1 332.16,95.1 333.283,96.222 J15.111@346.71,96.222 ; J15.111@346.68,96.2 346.68,95.9 348.78,93.8 349.78,93.8 351.08,95.1 352.48,95.1 353.603,96.222 J16.111@367.03,96.222
BUS20: P7.20 U5.9 U11.1A31 | length 191.6
  Top Layer w0.15: P7.20@126.2,211 126.2,210.8 127.2,209.8 127.2,208.262 127.577,207.885 131.463,207.885 132.248,207.1 133.176,207.1 133.9,206.376 133.9,204.8 U11.1A31@134.95,203.75 U11.1A31@135,203.7
  Bottom Layer w0.15: U5.9@51,98.155 51.855,98.155 52.9,99.2 52.9,107.33 52.07,108.16 49.01,108.16 46,111.17 46,117.52 44.45,119.07 44.45,151.93 53.35,160.83 53.35,168.85 83.95,199.45 132.07,199.45 134.95,202.33 U11.1A31@134.95,203.72
BUS20_N: J1.104 J2.104 J3.104 J4.104 J5.104 J6.104 J7.104 J8.104 J9.104 J10.104 J11.104 J12.104 J13.104 J14.104 J15.104 J16.104 R21.1 U5.10 | length 348.9
  Top Layer w0.15: R21.1@56,106.7 56.9,106.7 57.833,107.632 J1.104@59.69,107.632
  Bottom Layer w0.15: U5.10@50.1,99.5 49.996,99.5 49.07,98.574 49.07,97.846 49.766,97.15 56.77,97.15 57.36,97.74 57.36,100.982 57.71,101.332 57.71,104.802 58.27,105.362 58.27,107.208 58.695,107.632 J1.104@59.69,107.632 ; J1.104@59.6,107.6 62.5,107.6 63.9,106.2 65.5,106.2 66.8,107.5 79.758,107.5 J2.104@79.91,107.652 ; J2.104@79.92,107.6 82.82,107.6 84.22,106.2 85.82,106.2 87.12,107.5 100.078,107.5 J3.104@100.23,107.652 ; J3.104@100.24,107.6 103.14,107.6 104.54,106.2 106.14,106.2 107.44,107.5 120.398,107.5 J4.104@120.55,107.652 ; J4.104@120.56,107.6 123.46,107.6 124.86,106.2 126.46,106.2 127.76,107.5 140.718,107.5 J5.104@140.87,107.652 ; J5.104@140.88,107.6 143.78,107.6 145.18,106.2 146.78,106.2 148.08,107.5 161.038,107.5 J6.104@161.19,107.652 ; J6.104@161.2,107.6 164.1,107.6 165.5,106.2 167.1,106.2 168.4,107.5 181.358,107.5 J7.104@181.51,107.652 ; J7.104@181.52,107.6 184.42,107.6 185.82,106.2 187.42,106.2 188.72,107.5 201.678,107.5 J8.104@201.83,107.652 ; J8.104@201.84,107.6 204.74,107.6 206.14,106.2 207.74,106.2 209.04,107.5 221.998,107.5 J9.104@222.15,107.652 ; J9.104@222.16,107.6 225.06,107.6 226.46,106.2 228.06,106.2 229.36,107.5 242.318,107.5 J10.104@242.47,107.652 ; J10.104@242.48,107.6 245.38,107.6 246.78,106.2 248.38,106.2 249.68,107.5 262.638,107.5 J11.104@262.79,107.652 ; J11.104@262.8,107.6 265.7,107.6 267.1,106.2 268.7,106.2 270,107.5 282.958,107.5 J12.104@283.11,107.652 ; J12.104@283.12,107.6 286.02,107.6 287.42,106.2 289.02,106.2 290.32,107.5 303.278,107.5 J13.104@303.43,107.652 ; J13.104@303.44,107.6 306.34,107.6 307.74,106.2 309.34,106.2 310.64,107.5 323.598,107.5 J14.104@323.75,107.652 ; J14.104@323.76,107.6 326.66,107.6 328.06,106.2 329.66,106.2 330.96,107.5 343.918,107.5 J15.104@344.07,107.652 ; J15.104@344.08,107.6 346.98,107.6 348.38,106.2 349.98,106.2 351.28,107.5 364.238,107.5 J16.104@364.39,107.652
BUS20_P: J1.105 J2.105 J3.105 J4.105 J5.105 J6.105 J7.105 J8.105 J9.105 J10.105 J11.105 J12.105 J13.105 J14.105 J15.105 J16.105 R21.2 U5.11 | length 373.3
  Top Layer w0.15: R21.2@53.2,106.2 54,105.4 57.2,105.4 58.162,106.362 J1.105@62.23,106.362
  Bottom Layer w0.15: U5.11@50,100.7 48.67,99.37 48.67,97.821 49.691,96.8 56.95,96.8 57.66,97.51 57.66,98.86 58.03,99.23 58.03,104.034 58.57,104.574 58.57,105.75 59.183,106.362 J1.105@62.23,106.362 ; J1.105@62.1,106.4 62.1,106.1 64.2,104 65.2,104 66.5,105.3 67.9,105.3 69.023,106.422 J2.105@82.45,106.422 ; J2.105@82.42,106.4 82.42,106.1 84.52,104 85.52,104 86.82,105.3 88.22,105.3 89.343,106.422 J3.105@102.77,106.422 ; J3.105@102.74,106.4 102.74,106.1 104.84,104 105.84,104 107.14,105.3 108.54,105.3 109.663,106.422 J4.105@123.09,106.422 ; J4.105@123.06,106.4 123.06,106.1 125.16,104 126.16,104 127.46,105.3 128.86,105.3 129.983,106.422 J5.105@143.41,106.422 ; J5.105@143.38,106.4 143.38,106.1 145.48,104 146.48,104 147.78,105.3 149.18,105.3 150.303,106.422 J6.105@163.73,106.422 ; J6.105@163.7,106.4 163.7,106.1 165.8,104 166.8,104 168.1,105.3 169.5,105.3 170.623,106.422 J7.105@184.05,106.422 ; J7.105@184.02,106.4 184.02,106.1 186.12,104 187.12,104 188.42,105.3 189.82,105.3 190.943,106.422 J8.105@204.37,106.422 ; J8.105@204.34,106.4 204.34,106.1 206.44,104 207.44,104 208.74,105.3 210.14,105.3 211.263,106.422 J9.105@224.69,106.422 ; J9.105@224.66,106.4 224.66,106.1 226.76,104 227.76,104 229.06,105.3 230.46,105.3 231.583,106.422 J10.105@245.01,106.422 ; J10.105@244.98,106.4 244.98,106.1 247.08,104 248.08,104 249.38,105.3 250.78,105.3 251.903,106.422 J11.105@265.33,106.422 ; J11.105@265.3,106.4 265.3,106.1 267.4,104 268.4,104 269.7,105.3 271.1,105.3 272.223,106.422 J12.105@285.65,106.422 ; J12.105@285.62,106.4 285.62,106.1 287.72,104 288.72,104 290.02,105.3 291.42,105.3 292.543,106.422 J13.105@305.97,106.422 ; J13.105@305.94,106.4 305.94,106.1 308.04,104 309.04,104 310.34,105.3 311.74,105.3 312.863,106.422 J14.105@326.29,106.422 ; J14.105@326.26,106.4 326.26,106.1 328.36,104 329.36,104 330.66,105.3 332.06,105.3 333.183,106.422 J15.105@346.61,106.422 ; J15.105@346.58,106.4 346.58,106.1 348.68,104 349.68,104 350.98,105.3 352.38,105.3 353.503,106.422 J16.105@366.93,106.422
BUS21: P7.19 U5.15 U11.1A30 | length 179.8
  Top Layer w0.15: P7.19@126.2,209 126.2,208.008 126.631,207.577 131.347,207.577 132.124,206.8 132.7,206.8 132.9,206.6 U11.1A30@132.9,205.8
  Bottom Layer w0.15: U5.15@51,105.775 46.625,105.775 46.2,106.2 46.2,108.7 45.7,109.2 45.7,117.396 44.15,118.946 44.15,152.054 53,160.904 53,169.3 83.75,200.05 131.14,200.05 133.97,202.88 133.97,204.66 U11.1A30@132.93,205.7
BUS21_N: J1.107 J2.107 J3.107 J4.107 J5.107 J6.107 J7.107 J8.107 J9.107 J10.107 J11.107 J12.107 J13.107 J14.107 J15.107 J16.107 R22.1 U5.14 | length 376.7
  Top Layer w0.15: R22.1@53.2,103.4 54,102.6 57.1,102.6 58.322,103.822 J1.107@62.23,103.822
  Bottom Layer w0.15: U5.14@50.2,104.5 47.45,101.75 47.45,98.193 49.493,96.15 57.4,96.15 58.26,97.01 58.26,98.27 58.65,98.66 58.65,103.55 58.923,103.822 J1.107@62.23,103.822 ; J1.107@62.1,103.8 62.1,103.5 64.13,101.47 65.27,101.47 66.5,102.7 67.9,102.7 69.023,103.822 J2.107@82.45,103.822 ; J2.107@82.42,103.8 82.42,103.5 84.42,101.5 85.62,101.5 86.82,102.7 88.22,102.7 89.343,103.822 J3.107@102.77,103.822 ; J3.107@102.74,103.8 102.74,103.5 104.74,101.5 105.94,101.5 107.14,102.7 108.54,102.7 109.663,103.822 J4.107@123.09,103.822 ; J4.107@123.06,103.8 123.06,103.5 125.06,101.5 126.26,101.5 127.46,102.7 128.86,102.7 129.983,103.822 J5.107@143.41,103.822 ; J5.107@143.38,103.8 143.38,103.5 145.38,101.5 146.58,101.5 147.78,102.7 149.18,102.7 150.303,103.822 J6.107@163.73,103.822 ; J6.107@163.7,103.8 163.7,103.5 165.71,101.49 166.89,101.49 168.1,102.7 169.5,102.7 170.623,103.822 J7.107@184.05,103.822 ; J7.107@184.02,103.8 184.02,103.5 186.04,101.48 187.2,101.48 188.42,102.7 189.82,102.7 190.943,103.822 J8.107@204.37,103.822 ; J8.107@204.34,103.8 204.34,103.5 205.958,101.882 206.127,101.882 206.61,101.4 207.44,101.4 208.74,102.7 210.14,102.7 211.263,103.822 J9.107@224.69,103.822 ; J9.107@224.66,103.8 224.66,103.5 226.72,101.44 227.8,101.44 229.06,102.7 230.46,102.7 231.583,103.822 J10.107@245.01,103.822 ; J10.107@244.98,103.8 244.98,103.5 246.99,101.49 248.17,101.49 249.38,102.7 250.78,102.7 251.903,103.822 J11.107@265.33,103.822 ; J11.107@265.3,103.8 265.3,103.5 266.918,101.882 267.176,101.882 267.659,101.4 268.4,101.4 269.7,102.7 271.1,102.7 272.223,103.822 J12.107@285.65,103.822 ; J12.107@285.62,103.8 285.62,103.5 287.65,101.47 288.79,101.47 290.02,102.7 291.42,102.7 292.543,103.822 J13.107@305.97,103.822 ; J13.107@305.94,103.8 305.94,103.5 308.018,101.422 309.063,101.422 310.34,102.7 311.74,102.7 312.863,103.822 J14.107@326.29,103.822 ; J14.107@326.26,103.8 326.26,103.5 328.31,101.45 329.41,101.45 330.66,102.7 332.06,102.7 333.183,103.822 J15.107@346.61,103.822 ; J15.107@346.58,103.8 346.58,103.5 348.6,101.48 349.76,101.48 350.98,102.7 352.38,102.7 353.503,103.822 J16.107@366.93,103.822
BUS21_P: J1.106 J2.106 J3.106 J4.106 J5.106 J6.106 J7.106 J8.106 J9.106 J10.106 J11.106 J12.106 J13.106 J14.106 J15.106 J16.106 R22.2 U5.13 | length 352.4
  Top Layer w0.15: R22.2@55.9,104.1 R22.2@55.95,104.1 57,104.1 57.993,105.093 J1.106@59.69,105.093
  Bottom Layer w0.15: U5.13@50.2,103.3 49.6,103.3 48.22,101.92 48.22,97.847 49.617,96.45 57.07,96.45 57.96,97.34 57.96,98.51 58.35,98.9 58.35,103.85 59.592,105.093 J1.106@59.69,105.093 ; J1.106@59.6,105.1 62.5,105.1 63.9,103.7 65.5,103.7 66.8,105 79.758,105 J2.106@79.91,105.152 ; J2.106@79.92,105.1 82.82,105.1 84.22,103.7 85.82,103.7 87.12,105 100.078,105 J3.106@100.23,105.152 ; J3.106@100.24,105.1 103.14,105.1 104.54,103.7 106.14,103.7 107.44,105 120.398,105 J4.106@120.55,105.152 ; J4.106@120.56,105.1 123.46,105.1 124.86,103.7 126.46,103.7 127.76,105 140.718,105 J5.106@140.87,105.152 ; J5.106@140.88,105.1 143.78,105.1 145.18,103.7 146.78,103.7 148.08,105 161.038,105 J6.106@161.19,105.152 ; J6.106@161.2,105.1 164.1,105.1 165.5,103.7 167.1,103.7 168.4,105 181.358,105 J7.106@181.51,105.152 ; J7.106@181.52,105.1 184.42,105.1 185.82,103.7 187.42,103.7 188.72,105 201.678,105 J8.106@201.83,105.152 ; J8.106@201.84,105.1 204.74,105.1 206.14,103.7 207.74,103.7 209.04,105 221.998,105 J9.106@222.15,105.152 ; J9.106@222.16,105.1 225.06,105.1 226.46,103.7 228.06,103.7 229.36,105 242.318,105 J10.106@242.47,105.152 ; J10.106@242.48,105.1 245.38,105.1 246.78,103.7 248.38,103.7 249.68,105 262.638,105 J11.106@262.79,105.152 ; J11.106@262.8,105.1 265.7,105.1 267.1,103.7 268.7,103.7 270,105 282.958,105 J12.106@283.11,105.152 ; J12.106@283.12,105.1 286.02,105.1 287.42,103.7 289.02,103.7 290.32,105 303.278,105 J13.106@303.43,105.152 ; J13.106@303.44,105.1 306.34,105.1 307.74,103.7 309.34,103.7 310.64,105 323.598,105 J14.106@323.75,105.152 ; J14.106@323.76,105.1 326.66,105.1 328.06,103.7 329.66,103.7 330.96,105 343.918,105 J15.106@344.07,105.152 ; J15.106@344.08,105.1 346.98,105.1 348.38,103.7 349.98,103.7 351.28,105 364.238,105 J16.106@364.39,105.152
BUS22: P7.26 U5.1 U11.1A33 | length 180.5
  Top Layer w0.15: P7.26@132.2,211 132.2,210.6 133.2,209.6 133.2,208 134.4,206.8 135.4,206.8 136,206.2 136,204.7 U11.1A33@136.95,203.75 U11.1A33@137,203.7
  Bottom Layer w0.15: U5.1@55.8,107.045 53.935,108.91 49.37,108.91 47.15,111.13 47.15,117.76 45.05,119.86 45.05,151.09 54.15,160.19 54.15,168.1 84.5,198.45 85.6,198.45 ; 85.612,198.45 133.59,198.45 136.95,201.81 U11.1A33@136.95,203.74
BUS22_N: J1.100 J2.100 J3.100 J4.100 J5.100 J6.100 J7.100 J8.100 J9.100 J10.100 J11.100 J12.100 J13.100 J14.100 J15.100 J16.100 R23.1 U5.2 | length 334.4
  Top Layer w0.15: R23.1@56.2,112 56.912,112.712 J1.100@59.69,112.712
  Bottom Layer w0.15: U5.2@56.6,105.8 56.6,105.959 57.01,106.369 57.01,109.45 58.75,111.19 58.75,111.772 J1.100@59.69,112.712 ; J1.100@59.7,112.7 62.6,112.7 64,111.3 65.6,111.3 66.9,112.6 79.858,112.6 J2.100@80.01,112.752 ; J2.100@80.02,112.7 82.92,112.7 84.32,111.3 85.92,111.3 87.22,112.6 100.178,112.6 J3.100@100.33,112.752 ; J3.100@100.34,112.7 103.24,112.7 104.64,111.3 106.24,111.3 107.54,112.6 120.498,112.6 J4.100@120.65,112.752 ; J4.100@120.66,112.7 123.56,112.7 124.96,111.3 126.56,111.3 127.86,112.6 140.818,112.6 J5.100@140.97,112.752 ; J5.100@140.98,112.7 143.88,112.7 145.28,111.3 146.88,111.3 148.18,112.6 161.138,112.6 J6.100@161.29,112.752 ; J6.100@161.3,112.7 164.2,112.7 165.6,111.3 167.2,111.3 168.5,112.6 181.458,112.6 J7.100@181.61,112.752 ; J7.100@181.62,112.7 184.52,112.7 185.92,111.3 187.52,111.3 188.82,112.6 201.778,112.6 J8.100@201.93,112.752 ; J8.100@201.94,112.7 204.84,112.7 206.24,111.3 207.84,111.3 209.14,112.6 222.098,112.6 J9.100@222.25,112.752 ; J9.100@222.26,112.7 225.16,112.7 226.56,111.3 228.16,111.3 229.46,112.6 242.418,112.6 J10.100@242.57,112.752 ; J10.100@242.58,112.7 245.48,112.7 246.88,111.3 248.48,111.3 249.78,112.6 262.738,112.6 J11.100@262.89,112.752 ; J11.100@262.9,112.7 265.8,112.7 267.2,111.3 268.8,111.3 270.1,112.6 283.058,112.6 J12.100@283.21,112.752 ; J12.100@283.22,112.7 286.12,112.7 287.52,111.3 289.12,111.3 290.42,112.6 303.378,112.6 J13.100@303.53,112.752 ; J13.100@303.54,112.7 306.44,112.7 307.84,111.3 309.44,111.3 310.74,112.6 323.698,112.6 J14.100@323.85,112.752 ; J14.100@323.86,112.7 326.76,112.7 328.16,111.3 329.76,111.3 331.06,112.6 344.018,112.6 J15.100@344.17,112.752 ; J15.100@344.18,112.7 347.08,112.7 348.48,111.3 350.08,111.3 351.38,112.6 364.338,112.6 J16.100@364.49,112.752